# KiCad board board1-switching.kicad_pcb (continued)
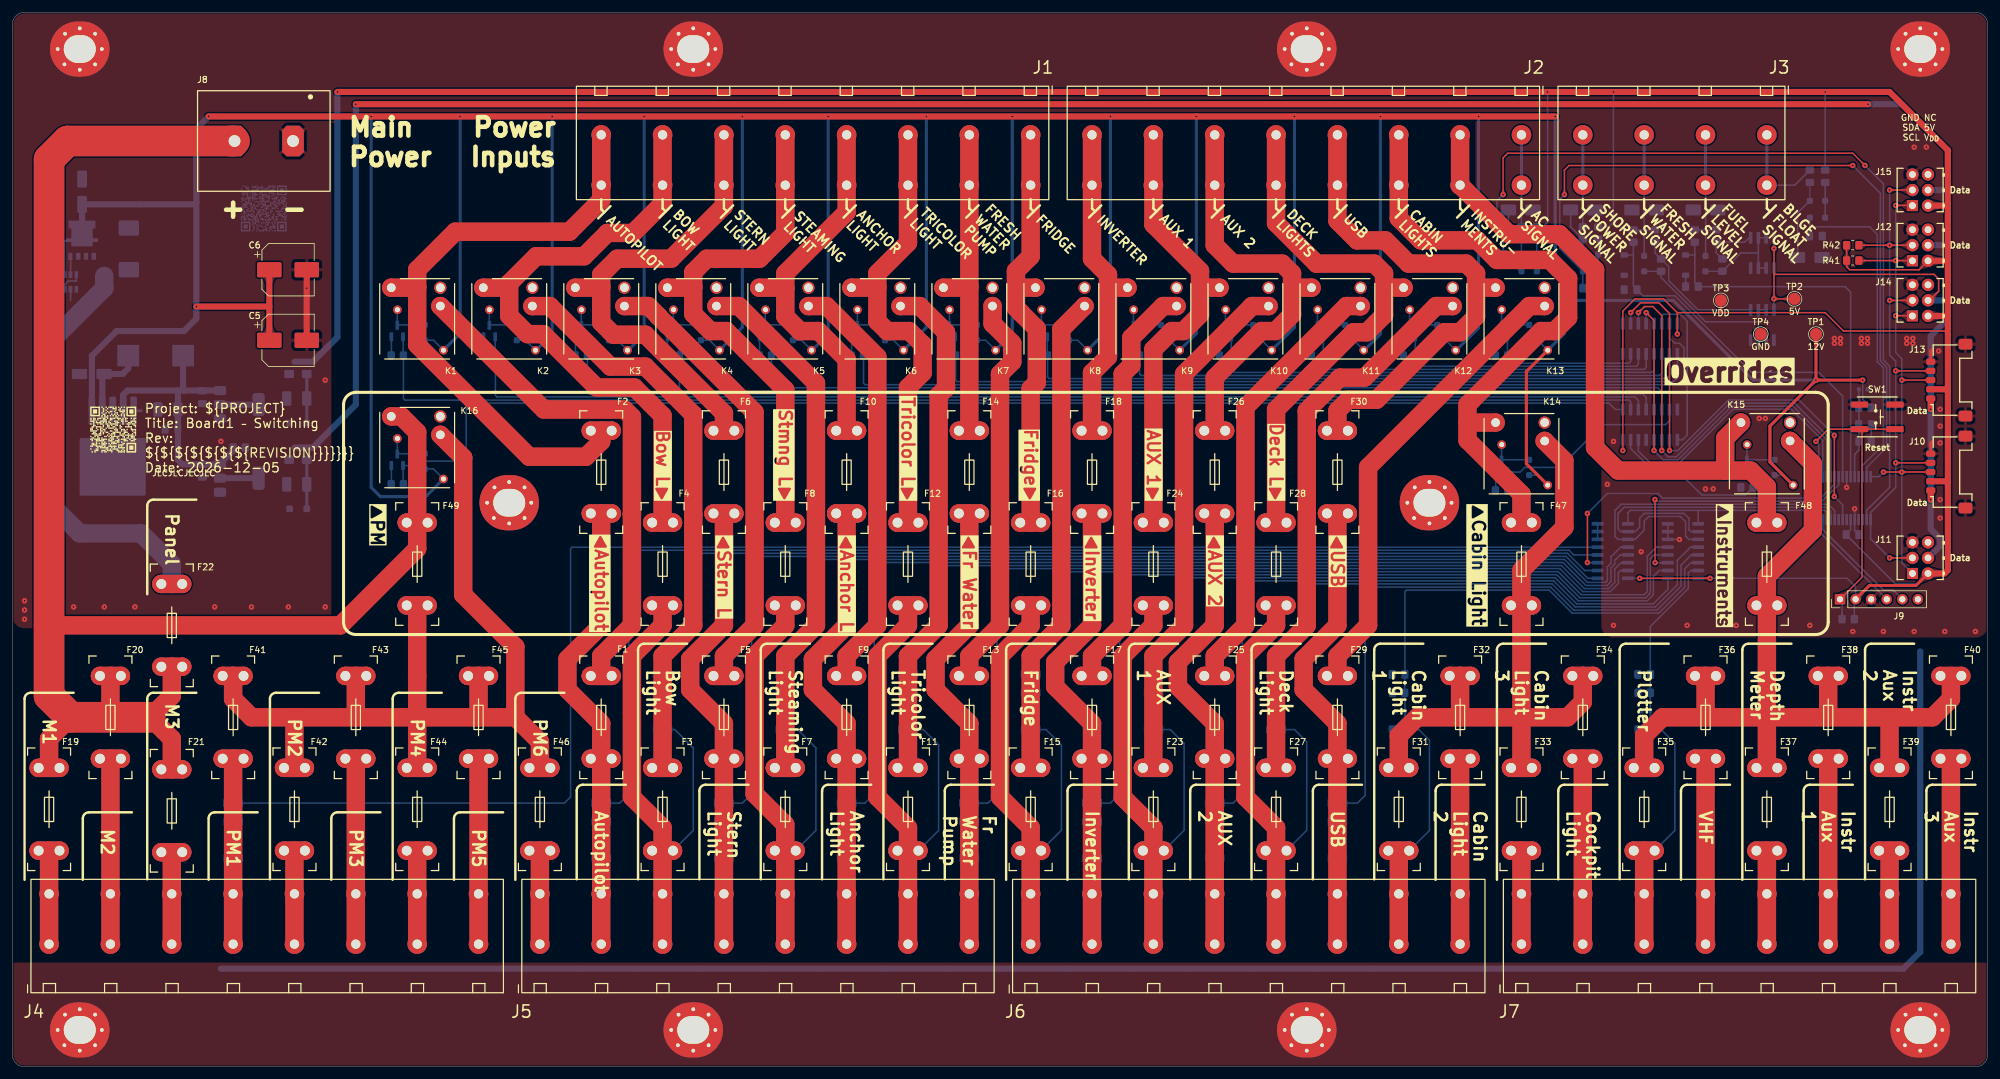
[diagram p0: board, top side]
## Library data of the parts (continued)
U4 U8 = -: Datasheet: https://www.mouser.es/datasheet/3/101/1/MC74HC595A-D.PDF
U5 U9 = -: Datasheet: https://www.ti.com/lit/ds/symlink/sn74lv4051a.pdf
U6 = -: Datasheet: https://www.mouser.es/datasheet/3/282/1/PIC18F26-46-56Q84-Data-Sheet-DS40002259.pdf
U10 U11 = -: Datasheet: http://www.ti.com/lit/ds/symlink/lm134.pdf; Description: 1μA to 10mA 3-Terminal Adjustable Current Source, SO-8; ki_fp_filters: SOIC*3.9x4.9m*P1.27mm*

## Footprints (pads in the part's own frame, mm; a bottom-side part is the same pattern mirrored in y, then rotated)
ButtonSMT_CnK_KSC2_J
  rrect 2.8x1 smd: 1(-2.9,2) 2(-2.9,-2) 3(2.9,2) 4(2.9,-2)
C_0805_2012Metric_Pad1.18x1.45mm_HandSolder
  rrect 1.175x1.45 smd: 1(-1.038,0) 2(1.038,0)
C_Elec_5x5.4
  rrect 2.775x1.6 smd: 1(-2.062,0) 2(2.062,0)
Con-Amphenol-76385-303LF
  rect 1.8x1.8 hole 1.1: 1(-2.54,1.27)
  round 2 hole 1.1: 2(0,1.27) 3(2.54,1.27) 4(2.54,-1.27) 5(0,-1.27) 6(-2.54,-1.27)
Con_2x04_Amphenol-QT04CDP
  round 3.2 hole 1.5: 1(0,8.2) 2(10,8.2) 3(20,8.2) 4(30,8.2) 5(0,0) 6(10,0) 7(20,0) 8(30,0)
Con_2x08_Amphenol-QT08CDP
  round 3.2 hole 1.5: 1(0,8.2) 2(10,8.2) 3(20,8.2) 4(30,8.2) 5(40,8.2) 6(50,8.2) 7(60,8.2) 8(70,8.2) 9(0,0) 10(10,0) 11(20,0) 12(30,0) 13(40,0) 14(50,0) 15(60,0) 16(70,0)
CP_EIA-3216-10_Kemet-I_HandSolder
  rrect 1.59x1.39 smd: 1(-1.44,0) 2(1.44,0)
CP_EIA-3528-12_Kemet-T_HandSolder
  rrect 1.515x2.39 smd: 1(-1.627,0) 2(1.627,0)
CP_Elec_8x6.5
  rrect 4x2.5 smd: 1(-3.05,0) 2(3.05,0)
D_B340-SMAF
  rrect 2.5x1.7 smd: 1(-2,0) 2(2,0)
D_SMA
  rrect 2.5x1.8 smd: 1(-2,0) 2(2,0)
D_SMC
  rrect 2.5x3.3 smd: 1(-3.4,0) 2(3.4,0)
D_SOD-123
  rrect 0.9x1.2 smd: 1(-1.65,0) 2(1.65,0)
D_SOD-123F
  rrect 1.1x1.1 smd: 1(-1.4,0) 2(1.4,0)
D_SOD-323_HandSoldering
  rrect 1x1 smd: 1(-1.25,0) 2(1.25,0)
D_SOD-523
  rrect 0.6x0.7 smd: 1(-0.7,0) 2(0.7,0)
Fuse-Keystone-3557-2
  round 3 hole 1.6: 1(-6.75,1.7) 2(-6.75,-1.7) 3(6.75,1.7) 4(6.75,-1.7)
J_Molex_38710-6302
  rrect 3.5x5 hole 1.9: 1(4.765,0) 2(-4.765,0)
L_Abracon_AMDLA1004S-330MT
  rect 3.55x3.5 smd: 1(-4.475,0) 2(4.475,0)
LFPAK4_4.90x4.15x1.15MM_1.27P
  rect 0.7x1.15 smd: 1(-1.905,0) 2(-0.635,0) 3(0.635,0) 4(1.905,0)
  custom 5.26x4.21 smd: 5(0,3.665)
Molex_Pico-Lock_504050-0591_1x05-1MP_P1.50mm_Horizontal
  rrect 1x1.5 smd: 1(-3,3.295) 2(-1.5,3.295) 3(0,3.295) 4(1.5,3.295) 5(3,3.295)
  rrect 1.77x2.25 smd: MP(-5.865,-2.375) MP(5.865,-2.375)
MountingHole_4.5mm_Pad_Via_oval
  round 0.9 hole 0.6: 1(-3.375,0) 1(-2.5,2.5) 1(-2.5,-2.5) 1(0,3.6) 1(0,-3.6) 1(2.5,2.4) 1(2.5,-2.5) 1(3.375,0)
  oval 9x9.7 hole 4.5x5.2: 1(0,0)
PinHeader_1x06_P2.54mm_Vertical
  rect 1.7x1.7 hole 1: 1(0,0)
  round 1.7 hole 1: 2(0,-2.54) 3(0,-5.08) 4(0,-7.62) 5(0,-10.16) 6(0,-12.7)
R_0805_2012Metric_Pad1.20x1.40mm_HandSolder
  rrect 1.2x1.4 smd: 1(-1,0) 2(1,0)
Relay-TE-V23086-C1xxx
  round 1.4 hole 0.8: 1(-3.22,1.475) 2(4.28,-5.125)
  round 2 hole 1.4: 3(3.78,5.075)
  round 3 hole 1.4: 4(-4.22,5.075) 5(3.78,2.075)
SOIC-8_3.9x4.9mm_P1.27mm
  rrect 1.95x0.6 smd: 1(-2.475,1.905) 2(-2.475,0.635) 3(-2.475,-0.635) 4(-2.475,-1.905) 5(2.475,-1.905) 6(2.475,-0.635) 7(2.475,0.635) 8(2.475,1.905)
SOIC-16_3.9x9.9mm_P1.27mm
  rrect 1.95x0.6 smd: 1(-2.475,4.445) 2(-2.475,3.175) 3(-2.475,1.905) 4(-2.475,0.635) 5(-2.475,-0.635) 6(-2.475,-1.905) 7(-2.475,-3.175) 8(-2.475,-4.445) 9(2.475,-4.445) 10(2.475,-3.175) 11(2.475,-1.905) 12(2.475,-0.635) 13(2.475,0.635) 14(2.475,1.905) 15(2.475,3.175) 16(2.475,4.445)
SOT-23
  rrect 1.475x0.6 smd: 1(-0.938,0.95) 2(-0.938,-0.95) 3(0.938,0)
SOT-223-3_TabPin2
  rrect 2x1.5 smd: 1(-3.15,2.3) 2(-3.15,0) 3(-3.15,-2.3)
  rrect 2x3.8 smd: 2(3.15,0)
SSOP-28-5.3mm
  rrect 0.45x1.85 smd: 1(-4.225,-3.5) 2(-3.575,-3.5) 3(-2.925,-3.5) 4(-2.275,-3.5) 5(-1.625,-3.5) 6(-0.975,-3.5) 7(-0.325,-3.5) 8(0.325,-3.5) 9(0.975,-3.5) 10(1.625,-3.5) 11(2.275,-3.5) 12(2.925,-3.5) 13(3.575,-3.5) 14(4.225,-3.5) 15(4.225,3.5) 16(3.575,3.5) 17(2.925,3.5) 18(2.275,3.5) 19(1.625,3.5) 20(0.975,3.5) 21(0.325,3.5) 22(-0.325,3.5) 23(-0.975,3.5) 24(-1.625,3.5) 25(-2.275,3.5) 26(-2.925,3.5) 27(-3.575,3.5) 28(-4.225,3.5)
TestPoint_Pad_D2.0mm
  round 2 smd: 1(0,0)
TO-263-5_TabPin3
  rrect 4.55x5.25 smd: (-0.925,-2.775) (-0.925,2.775) (3.925,-2.775) (3.925,2.775)
  rrect 4.6x1.1 smd: 1(-7.65,3.4) 2(-7.65,1.7) 3(-7.65,0) 4(-7.65,-1.7) 5(-7.65,-3.4)
  rrect 9.4x10.8 smd: 3(1.5,0)
TSOP-6_3.00x1.5x0.90mm_P0.95mm
  rect 1.1x0.6 smd: 1(-1.2,0.95) 2(-1.2,0) 3(-1.2,-0.95) 4(1.2,-0.95) 5(1.2,0) 6(1.2,0.95)

## Nets
+5V: C18.1 C19.1 D27.1 J10.1 J11.5 J12.5 J13.1 J14.5 J15.5 R28.1 TP2.1 U7.2 U10.4 U11.4
+12V: C5.1 C6.1 C7.1 D1.1 D2.1 D3.1 D4.1 D5.1 D6.1 D7.1 D8.1 D9.1 D11.1 D12.1 D13.1 D14.1 D15.1 D16.1 D17.1 K1.2 K2.2 K3.2 K4.2 K5.2 K6.2 K7.2 K8.2 K9.2 K10.2 K11.2 K12.2 K13.2 K14.2 K15.2 K16.2 Q10.5 R53.1 TP1.1 U1.4 U2.1
GND: C1.1 C2.1 C3.1 C4.1 C5.2 C6.2 C7.2 C8.2 C9.2 C10.2 C11.2 C12.2 C13.2 C14.1 C15.1 C16.1 C17.2 C18.2 C19.2 C20.1 C21.1 C22.1 C23.1 C24.1 C25.1 C26.1 C27.1 C28.1 C29.1 C30.2 C31.2 C32.2 C33.2 C34.2 D10.2 D18.2 D19.2 D20.2 D21.2 D22.2 D23.2 D24.2 D25.2 D26.2 D27.2 D28.2 D29.2 D30.2 D31.2 D32.2 D33.2 D34.2 D35.2 D36.2 D37.2 D39.2 D40.1 D43.1 D46.1 D48.1 D49.2 D52.1 H1.1 H2.1 H3.1 H4.1 H5.1 H6.1 H7.1 H8.1 H9.1 H10.1 J8.1 J9.3 J10.5 J10.MP J11.3 J12.3 J13.5 J13.MP J14.3 J15.3 Q1.2 Q2.2 Q3.2 Q4.2 Q5.2 Q6.2 Q7.2 Q8.2 Q9.2 Q11.2 Q12.2 Q13.2 Q14.2 Q15.2 Q16.2 Q17.2 R1.2 R2.2 R3.2 R4.2 R5.2 R6.2 R7.2 R8.2 R9.2 R10.2 R11.2 R12.2 R13.2 R14.2 R15.2 R16.2 R18.1 R20.1 R22.1 R24.1 R26.1 R29.1 R31.1 R33.1 R35.1 R38.1 R40.1 R44.1 R46.1 R48.1 R50.1 R52.1 R54.1 SW1.1 SW1.3 TP4.1 U1.2 U2.3 U2.5 U3.1 U4.8 U4.13 U5.6 U5.7 U5.8 U6.8 U6.19 U7.1 U8.8 U8.13 U9.6 U9.7 U9.8
VDD: C11.1 C12.1 C13.1 D23.1 J9.2 J10.2 J11.6 J12.6 J13.2 J14.6 J15.6 R37.1 R41.1 R42.1 R58.1 R59.1 R63.1 TP3.1 U3.2 U4.16 U5.16 U6.20 U8.16 U9.16
/ac_power: J2.1 J2.9 R66.1
/anchor_light: F9.3 F9.4 F10.3 F10.4 J5.6 J5.14 R17.1
/autopilot: F1.3 F1.4 F2.3 F2.4 J5.2 J5.10 R32.1
/aux1: F23.3 F23.4 F24.3 F24.4 J6.3 J6.11 R49.1
/aux2: F25.3 F25.4 F26.3 F26.4 J6.4 J6.12 R45.1
/aux_instrument1: F38.3 F38.4 J7.6 J7.14
/aux_instrument2: F39.3 F39.4 J7.7 J7.15
/aux_instrument3: F40.3 F40.4 J7.8 J7.16
/bilge_float: J3.1 J3.5 R64.1
/bow_light: F3.3 F3.4 F4.3 F4.4 J5.3 J5.11 R30.1
/cabin_light1: F31.3 F31.4 J6.7 J6.15 R36.1
/cabin_light2: F32.3 F32.4 J6.8 J6.16
/cabin_light3: F33.3 F33.4 J7.1 J7.9
/chartplotter: F35.3 F35.4 J7.3 J7.11 R39.1
/cockpit_light: F34.3 F34.4 J7.2 J7.10
/deck_light: F27.3 F27.4 F28.3 F28.4 J6.5 J6.13 R43.1
/depth_meter: F37.3 F37.4 J7.5 J7.13
/en0: Q1.1 R1.1 U4.2
/en1: Q2.1 R2.1 U4.3
/en2: Q3.1 R3.1 U4.4
/en3: Q4.1 R4.1 U4.5
/en4: Q5.1 R5.1 U4.6
/en5: Q6.1 R6.1 U8.15
/en6: Q7.1 R7.1 U8.1
/en7: Q8.1 R8.1 U8.2
/en8: Q9.1 R9.1 U8.3
/en9: Q11.1 R10.1 U8.4
/en10: Q12.1 R11.1 U8.5
/en11: Q13.1 R12.1 U8.6
/en12: Q14.1 R13.1 U8.7
/en13: Q15.1 R14.1 U4.7
/en14: Q16.1 R15.1 U4.15
/en15: Q17.1 R16.1 U4.1
/fresh_water_pump: F13.3 F13.4 F14.3 F14.4 J5.8 J5.16 R21.1
/fresh_water_tank: D38.1 D40.2 J3.3 J3.7 R56.2 R57.1
/fridge: F15.3 F15.4 F16.3 F16.4 J6.1 J6.9 R47.1
/fuel_tank: D47.1 D48.2 J3.2 J3.6 R61.2 R62.1
/inverter: F17.3 F17.4 F18.3 F18.4 J6.2 J6.10 R51.1
/main1: F19.3 F19.4 J4.1 J4.9
/main2: F20.3 F20.4 J4.2 J4.10
/main3: F21.3 F21.4 J4.3 J4.11
/meters/ac_power_data: C34.1 D51.1 U6.16
/meters/battery_voltage_data: C29.2 D37.1 R53.2 R54.2 U6.10
/meters/bilge_float_data: C31.1 D42.1 U6.12
/meters/fresh_water_tank_data: C30.1 D39.1 R57.2 U6.7
/meters/fuel_tank_data: C33.1 D49.1 R62.2 U6.9
/meters/shore_power_data: C32.1 D45.1 U6.13
/panel_main1: F41.3 F41.4 J4.4 J4.12 R27.1
/panel_main2: F42.3 F42.4 J4.5 J4.13
/panel_main3: F43.3 F43.4 J4.6 J4.14
/panel_main4: F44.3 F44.4 J4.7 J4.15
/panel_main5: F45.3 F45.4 J4.8 J4.16
/panel_main6: F46.3 F46.4 J5.1 J5.9
/Power: F19.1 F19.2 F20.1 F20.2 F21.1 F21.2 F22.3 F22.4 F49.1 F49.2 J8.2 K16.4
/s_anchor_light: F10.1 F10.2 J1.4 J1.12 K5.4
/s_autopilot: F2.1 F2.2 J1.8 J1.16 K1.4
/s_aux1: F24.1 F24.2 J2.7 J2.15 K10.4
/s_aux2: F26.1 F26.2 J2.6 J2.14 K11.4
/s_bow_light: F4.1 F4.2 J1.7 J1.15 K2.4
/s_cabin_lights: F47.1 F47.2 J2.3 J2.11 K14.4
/s_deck_light: F28.1 F28.2 J2.5 J2.13 K12.4
/s_fresh_water_pump: F14.1 F14.2 J1.2 J1.10 K7.4
/s_fridge: F16.1 F16.2 J1.1 J1.9 K8.4
/s_instruments: F48.1 F48.2 J2.2 J2.10 K15.4
/s_inverter: F18.1 F18.2 J2.8 J2.16 K9.4
/s_steaming_light: F8.1 F8.2 J1.5 J1.13 K4.4
/s_stern_light: F6.1 F6.2 J1.6 J1.14 K3.4
/s_tricolor: F12.1 F12.2 J1.3 J1.11 K6.4
/s_USB: F30.1 F30.2 J2.4 J2.12 K13.4
/shore_power: J3.4 J3.8 R65.1
/steaming_light: F7.3 F7.4 F8.3 F8.4 J5.5 J5.13 R23.1
/stern_light: F5.3 F5.4 F6.3 F6.4 J5.4 J5.12 R25.1
/tricolor: F11.3 F11.4 F12.3 F12.4 J5.7 J5.15 R19.1
/USB: F29.3 F29.4 F30.3 F30.4 J6.6 J6.14 R34.1
/VHF: F36.3 F36.4 J7.4 J7.12
Net-(D1-A): D1.2 K1.1 Q1.3
Net-(D2-A): D2.2 K2.1 Q2.3
Net-(D3-A): D3.2 K3.1 Q3.3
Net-(D4-A): D4.2 K4.1 Q4.3
Net-(D5-A): D5.2 K5.1 Q5.3
Net-(D6-A): D6.2 K6.1 Q6.3
Net-(D7-A): D7.2 K7.1 Q7.3
Net-(D8-A): D8.2 K8.1 Q8.3
Net-(D9-A): D9.2 K9.1 Q9.3
Net-(D10-A1): D10.1 F22.1 F22.2 Q10.1 Q10.2 Q10.3 U1.3 U1.6
Net-(D11-A): D11.2 K10.1 Q11.3
Net-(D12-A): D12.2 K11.1 Q12.3
Net-(D13-A): D13.2 K12.1 Q13.3
Net-(D14-A): D14.2 K13.1 Q14.3
Net-(D15-A): D15.2 K14.1 Q15.3
Net-(D16-A): D16.2 K15.1 Q16.3
Net-(D17-A): D17.2 K16.1 Q17.3
Net-(D18-K): C1.2 D18.1 R17.2 R18.2 U5.13
Net-(D19-K): C2.2 D19.1 R19.2 R20.2 U5.14
Net-(D20-K): C3.2 D20.1 R21.2 R22.2 U5.15
Net-(D21-K): C4.2 D21.1 R23.2 R24.2 U5.12
Net-(D22-K): D22.1 L1.1 U2.2
Net-(D24-K): C14.2 D24.1 R25.2 R26.2 U5.1
Net-(D25-K): C15.2 D25.1 R27.2 R29.2 U5.5
Net-(D26-K): C16.2 D26.1 R30.2 R31.2 U5.2
Net-(D28-K): C20.2 D28.1 R32.2 R33.2 U5.4
Net-(D29-K): C21.2 D29.1 R34.2 R35.2 U9.13
Net-(D30-K): C22.2 D30.1 R36.2 R38.2 U9.14
Net-(D31-K): C23.2 D31.1 R39.2 R40.2 U9.15
Net-(D32-K): C24.2 D32.1 R43.2 R44.2 U9.12
Net-(D33-K): C25.2 D33.1 R45.2 R46.2 U9.1
Net-(D34-K): C26.2 D34.1 R47.2 R48.2 U9.5
Net-(D35-K): C27.2 D35.1 R49.2 R50.2 U9.2
Net-(D36-K): C28.2 D36.1 R51.2 R52.2 U9.4
Net-(D38-A): D38.2 R55.2 U10.2 U10.3 U10.6 U10.7
Net-(D41-A): D41.2 D42.2 R58.2
Net-(D41-K): D41.1 D43.2 R64.2
Net-(D44-A): D44.2 D45.2 R59.2
Net-(D44-K): D44.1 D46.2 R65.2
Net-(D47-A): D47.2 R60.2 U11.2 U11.3 U11.6 U11.7
Net-(D50-A): D50.2 D51.2 R63.2
Net-(D50-K): D50.1 D52.2 R66.2
Net-(F1-Pad1): F1.1 F1.2 K1.5
Net-(F3-Pad1): F3.1 F3.2 K2.5
Net-(F5-Pad1): F5.1 F5.2 K3.5
Net-(F7-Pad1): F7.1 F7.2 K4.5
Net-(F9-Pad1): F9.1 F9.2 K5.5
Net-(F11-Pad1): F11.1 F11.2 K6.5
Net-(F13-Pad1): F13.1 F13.2 K7.5
Net-(F15-Pad1): F15.1 F15.2 K8.5
Net-(F17-Pad1): F17.1 F17.2 K9.5
Net-(F23-Pad1): F23.1 F23.2 K10.5
Net-(F25-Pad1): F25.1 F25.2 K11.5
Net-(F27-Pad1): F27.1 F27.2 K12.5
Net-(F29-Pad1): F29.1 F29.2 K13.5
Net-(F31-Pad1): F31.1 F31.2 F32.1 F32.2 F33.1 F33.2 F34.1 F34.2 F47.3 F47.4 K14.5
Net-(F35-Pad1): F35.1 F35.2 F36.1 F36.2 F37.1 F37.2 F38.1 F38.2 F39.1 F39.2 F40.1 F40.2 F48.3 F48.4 K15.5
Net-(F41-Pad1): F41.1 F41.2 F42.1 F42.2 F43.1 F43.2 F44.1 F44.2 F45.1 F45.2 F46.1 F46.2 F49.3 F49.4 K16.5
Net-(J9-Pin_1): J9.1 R37.2 SW1.2 SW1.4 U6.1
Net-(J9-Pin_4): J9.4 U6.28
Net-(J9-Pin_5): J9.5 U6.27
Net-(J10-Pin_3): J10.3 J11.1 J12.1 J13.3 J14.1 J15.1 R41.2 U6.14
Net-(J10-Pin_4): J10.4 J11.2 J12.2 J13.4 J14.2 J15.2 R42.2 U6.15
Net-(Q10-G): Q10.4 U1.5
Net-(R55-Pad1): R55.1 R56.1 U10.1
Net-(R60-Pad1): R60.1 R61.1 U11.1
Net-(U2-FB): C8.1 C9.1 C10.1 C17.1 L1.2 R28.2 U2.4 U3.3 U7.3
Net-(U4-A): U4.14 U6.2
Net-(U4-LATCH_CLK): U4.12 U6.3 U8.12
Net-(U4-SHIFT_CLK): U4.11 U6.4 U8.11
Net-(U4-SQ_{H}): U4.9 U8.14
Net-(U4-~{RST}): U4.10 U6.22 U8.10
Net-(U5-A): U5.11 U6.24 U9.11
Net-(U5-B): U5.10 U6.25 U9.10
Net-(U5-C): U5.9 U6.26 U9.9
Net-(U5-COM): U5.3 U6.5
Net-(U6-RA4): U6.6 U9.3

Pads without a net: J9 6; J11 4; J12 4; J14 4; J15 4; K1 3; K2 3; K3 3; K4 3; K5 3; K6 3; K7 3; K8 3; K9 3; K10 3; K11 3; K12 3; K13 3; K14 3; K15 3; K16 3; U1 1; U6 11 17 18 21 23; U8 9; U10 5 8; U11 5 8

## Via types
v1: diameter 0.9, hole 0.3, Top to Bottom, 113 vias

## Routing (per net, layer and track width the routed paths; a pad name or vN(x,y) marks a point on that pad's centre or on a via; arc(x,y) is an arc through that point)
+5V: length 459.4
  Top w0.25: 287.15,129.25 v1(287.15,133.5) ; 287.15,129.25 313.25,129.25 314,128.5 314,126.5 312.5,125 J14.5 ; 287.15,129.25 v1(287.15,125.25) TP2.1
  Top w1: v1(302.5,157) v1(56,157) ; v1(312.7,92.5) J10.1 ; v1(312.7,107.25) J13.1
  Bottom w0.25: v1(287.15,133.5) U11.4 ; v1(287.15,125.25) U10.4
  Bottom w1: 315.5,124.97 315.47,125 J14.5 ; 315.5,124.97 315.5,122 312.7,119.2 v1(312.7,107.25) v1(312.7,92.5) 312.7,87.69 314.2,86.2 314.2,84.93 J11.5 ; 315.5,124.97 315.5,134 ; J15.5 315.5,143 ; 315.5,143 315.5,149.5 308,157 v1(302.5,157) ; 315.5,143 315.5,134 ; U7.2 U7.2 ; v1(56,157) 56,108 49,101 46,101 ; 315.5,134 J12.5
+12V: length 1097.4
  Top w0.5: v1(294,112) 286.5,104.5 286.5,98.66 K15.2 ; v1(294,112) v1(301.63,112) ; v1(294,112) TP1.1 ; K14.2 246.8,98.36 246.8,113.39 K13.2
  Top w1: v1(32,155) v1(58.5,155) v1(193,155) v1(209,155) v1(223,155) v1(239,155) v1(251.5,155) ; 41.9,124 v1(30,124) ; C5.1 C6.1
  Bottom w0.25: K11.2 218.66,118.5 D12.1 ; D8.1 173.66,118.5 K8.2 ; D17.1 68.66,97.5 K16.2 ; D9.1 188.66,118.5 K9.2 ; D4.1 113.66,118.5 K4.2 ; D16.1 288.65,96.5 K15.2 ; D13.1 233.65,118.5 K12.2 ; K6.2 143.66,118.5 D6.1 ; D3.1 98.66,118.5 K3.2 ; 11.38,135.72 10.38,134.72 8.62,134.72 8.5,134.6 8.5,129.34 8.55,129.29 ; D11.1 203.66,118.5 K10.2 ; D2.1 83.66,118.5 K2.2 ; v1(301.63,112) 301.63,108.87 R53.1 ; D14.1 248.65,118.5 K13.2 ; D15.1 248.65,96.5 K14.2 ; D5.1 128.66,118.5 K5.2 ; D1.1 68.66,118.5 K1.2 ; D7.1 158.66,118.5 K7.2
  Bottom w0.5: K13.2 253,119.59 253,128 251.5,129.5 v1(251.5,155) ; v1(239,155) 239,120.5 235.38,116.88 K12.2 ; v1(179,155) 179,120.59 K8.2 ; K7.2 163,119.59 v1(163,155) ; K3.2 100.38,116.88 103,119.5 v1(103,155) ; v1(223,155) 223,119.5 220.38,116.88 K11.2 ; v1(119,155) 119,120.59 K4.2 ; 253,125 270.75,125 283.75,112 v1(294,112) ; v1(58.5,155) 58.5,94.5 60,93 67.41,93 K16.2 ; K2.2 85.38,116.88 88,119.5 v1(88,155) ; K1.2 73,119.59 v1(73,155) ; v1(209,155) 209,120.59 K10.2 ; K9.2 193,119.59 v1(193,155) ; v1(133,155) 133,119.5 130.38,116.88 K5.2 ; K6.2 149,120.59 v1(149,155)
  Bottom w1: v1(32,155) 30,153 30,141 ; 30,141 29.66,140.66 C7.1 11.38,135.72 ; 30,141 v1(30,124) 30,122 28,120 17,120 12.98,115.97 U2.1
GND: length 426.7
  Top w0.5: J10.5 312.7,101.7 313,102 ; 313,117 312.7,116.7 J13.5
  Top w1: C6.2 C5.2
  Bottom w0.25: R4.2 106.8,116.05 Q4.2 ; U9.8 U9.6 271.73,86.02 v1(271.75,86) ; Q2.2 76.8,116.05 R2.2 ; C29.1 303,104.71 R54.1 ; C33.2 D49.2 ; U1.2 9.5,125 ; Q17.2 61.8,95.05 R16.2 ; R5.2 121.8,116.05 Q5.2 ; v1(300.3,91) U6.19 300.3,87.49 C13.2 301.04,86.8 ; R3.2 91.8,116.05 Q3.2 ; R13.2 241.8,116.05 Q14.2 ; Q6.2 136.8,116.05 R6.2 ; Q1.2 61.8,116.05 R1.2 ; R8.2 166.8,116.05 Q8.2 ; R14.2 241.8,94.05 Q15.2 ; R7.2 151.8,116.05 Q7.2 ; R12.2 226.8,116.05 Q13.2 ; Q11.2 196.8,116.05 R10.2 ; Q9.2 181.8,116.05 R9.2 ; R15.2 281.8,94.55 ; v1(299,94.5) U6.8 ; U5.6 U5.8 ; Q12.2 211.8,116.05 R11.2
  Bottom w0.5: D27.2 C19.2 C18.2 ; U2.5 21,107 ; D23.2 C12.2 C11.2
  Bottom w1: 16,98.22 U2.3 ; 311,67.75 311,18.75 308.25,16 34,16 ; 11.31,144.72 C7.2
  vias: v1(2,76) v1(2,74.5) v1(2,73) v1(10,75) v1(15,75) v1(20,75) v1(33,75) v1(34,102.02) v1(39,75) v1(45,75) v1(48,127) v1(51,112) v1(51,75) v1(260,95) v1(261,102) v1(261,72) v1(265.5,84) v1(273,72) v1(276,94.25) v1(277.25,94.25) v1(281,72) v1(284.75,105.75) v1(285.75,105.75) v1(293,72) v1(297,118.8) v1(297,118) v1(298,118.8) v1(298,118) v1(300,71) v1(301.4,118.8) v1(301.4,118) v1(302.4,118.8) v1(302.4,118) v1(305,71) v1(308.8,118.8) v1(308.8,118) v1(309.8,118.8) v1(309.8,118) v1(310,150) v1(310,71) v1(312,150) v1(314,116.75) v1(314.25,107.25) v1(314.25,104.5) v1(314.25,101.75) v1(314.25,92.5) v1(314.25,89.5) v1(315,71) v1(320,71)
VDD: length 654.3
  Top w0.25: v1(265.25,79.67) v1(276.75,79.67) ; J12.6 310.81,130 299.5,130 299,130.5 R41.1 R42.1 ; TP3.1 278.5,123 ; 278.5,123 271.41,123 ; 278.5,123 295.5,123 298.5,120 315.5,120 315.5,121.4 ; 271.41,123 v1(271.41,119.5) ; 271.41,123 269.16,125.25 264.5,125.25 262.52,123.27 v1(262.52,100.5)
  Top w0.5: J9.2 302.71,78.5 310.31,78.5 J11.6
  Top w1: 315.5,110.5 315.5,122.75 ; 315.5,110.5 315.5,95.5 ; 315.5,110.5 J13.2 ; 315.5,122.75 315.5,131.5 ; 315.5,122.75 315.21,122.46 J14.6 ; J15.6 315.46,140.46 315.5,140.5 ; 315.5,95.5 315.5,81 314.96,80.46 J11.6 ; 315.5,95.5 J10.2 ; 315.5,131.5 315.5,140.5 ; 315.5,131.5 315.46,131.46 J12.6 ; 315.5,140.5 315.5,149.5 306,159 v1(53,159)
  Bottom w0.25: U9.16 v1(276.75,79.67) 299.08,79.67 300.46,78.29 J9.2 300.25,76.04 R37.1 ; v1(250.25,159) 250.25,137.75 249.5,137 R63.1 ; 298.86,86.8 299.65,87.59 U6.20 ; v1(262.52,100.5) U4.16 ; R58.1 v1(295.5,159) ; J11.6 310.56,78.75 306.96,78.75 C13.1 ; U5.16 v1(265.25,79.67) ; R59.1 260.25,137 261,137.75 v1(261,159) ; v1(271.41,119.5) U8.16
  Bottom w1: 46,115 49,115 53,119 v1(53,159) ; U3.2 U3.2
/ac_power: length 15
  Bottom w0.25: R66.1 J2.1
  Bottom w0.5: J2.9 J2.1
/anchor_light: length 94.4
  Top w3: F10.4 136,90.25 ; 136,90.25 F10.3 ; 136,90.25 136,72 130.5,66.5 130.5,61.5 136,56 136,50.25 ; 136,50.25 136,20.2 ; 136,50.25 F9.4 ; 136,50.25 F9.3
  Bottom w0.25: R17.1 135,33 136,32 J5.6
  Bottom w3: F9.4 F9.3 ; F10.4 F10.3
/autopilot: length 94.4
  Top w3: 96,20.2 96,50.25 ; 96,50.25 F1.4 ; 96,50.25 96,56 90.5,61.5 90.5,66.5 96,72 96,90.25 ; 96,50.25 F1.3 ; 96,90.25 F2.3 ; 96,90.25 F2.4
  Bottom w0.25: R32.1 95,33 96,32 J5.2
  Bottom w3: F1.4 F1.3 ; F2.3 F2.4
/aux1: length 96.7
  Top w3: F23.4 186,35.25 ; 186,35.25 F23.3 ; 186,35.25 186.1,35.15 186,35.06 186,28.4 ; 186,35.25 186,39 181,44 181,67 186,72 186,75.25 ; 186,75.25 F24.4 ; 186,75.25 F24.3 ; 186.1,28.4 186,28.3 186,20.2
  Bottom w0.25: F23.3 191,38.55 191,52.75 188.75,55 R49.1
  Bottom w3: F23.4 F23.3 ; F24.4 F24.3
/aux2: length 91.4
  Top w3: 196,20.2 196,50.25 ; 196,50.25 F25.3 ; 196,50.25 196,56 190,62 190,66 196,72 196,90.25 ; 196,50.25 F25.4 ; F26.4 F26.3
  Bottom w0.25: J6.4 196,32 195,33 R45.1
  Bottom w3: F25.3 F25.4
/aux_instrument1: length 36.8
  Top w3: F38.4 296,50.25 ; 296,50.25 F38.3 ; 296,50.25 296,20.2
  Bottom w3: F38.3 F38.4
/aux_instrument2: length 21.8
  Top w3: 306,35.25 F39.3 ; 306,35.25 F39.4 ; 306,35.25 306,20.2
  Bottom w3: F39.3 F39.4
/aux_instrument3: length 36.8
  Top w3: F40.4 316,50.25 ; 316,50.25 316,20.2 ; 316,50.25 F40.3
  Bottom w3: F40.3 F40.4
/bilge_float: length 16.2
  Bottom w0.25: R64.1 290.55,143.8 J3.1
  Bottom w0.5: J3.1 J3.5
/bow_light: length 96.2
  Top w3: 106,20.2 106,35.25 ; 106,35.25 F3.4 ; 106,35.25 106,39 101,44 101,67 106,72 106,75.25 ; 106,35.25 F3.3 ; F4.4 106,75.25 ; 106,75.25 F4.3
  Bottom w0.25: R30.1 108,55 111,52 111,38.55 F3.3
  Bottom w3: F4.3 F4.4 ; F3.3 F3.4
/cabin_light1: length 46
  Top w3: 226,20.2 226,35.25 ; 226,35.25 F31.3 ; 226,35.25 F31.4
  Bottom w0.25: R36.1 229.25,55 231,53.25 231,38.55 F31.3
  Bottom w3: F31.3 F31.4
/cabin_light2: length 36.8
  Top w3: F32.4 236,50.25 ; 236,50.25 236,20.2 ; 236,50.25 F32.3
  Bottom w3: F32.3 F32.4
/cabin_light3: length 21.8
  Top w3: 246,35.25 F33.3 ; 246,35.25 F33.4 ; 246,35.25 246,20.2
  Bottom w3: F33.3 F33.4
/chartplotter: length 45.7
  Top w3: 266,35.25 266,20.2 ; 266,35.25 F35.3 ; 266,35.25 F35.4
  Bottom w0.25: F35.3 271,38.55 271,52.75 268.75,55 266.96,55
  Bottom w3: F35.3 F35.4
/cockpit_light: length 36.8
  Top w3: F34.4 256,50.25 ; 256,50.25 256,20.2 ; 256,50.25 F34.3
  Bottom w3: F34.4 F34.3
/deck_light: length 96.7
  Top w3: 206,75.25 206,72 201,67 201,44 206,39 206,35.25 ; 206,75.25 F28.3 ; 206,75.25 F28.4 ; F27.4 206,35.25 ; 206,35.25 F27.3 ; 206,35.25 206,20.2
  Bottom w0.25: F27.3 211,38.55 211,53 209,55 R43.1
  Bottom w3: F27.3 F27.4 ; F28.3 F28.4
/depth_meter: length 21.8
  Top w3: 286,35.25 286,20.2 ; 286,35.25 F37.4 ; 286,35.25 F37.3
  Bottom w3: F37.3 F37.4
/en0: length 211.6
  Bottom w0.25: Q1.1 63.7,116.05 R1.1 63.75,109 64,108.75 263.5,108.75 263.79,108.46 U4.2
/en1: length 197.7
  Bottom w0.25: Q2.1 78.7,116.05 R2.1 78.75,109.5 79,109.25 264.5,109.25 265.06,108.69 U4.3
/en2: length 184
  Bottom w0.25: Q3.1 93.7,116.05 R3.1 93.75,110 94,109.75 265.75,109.75 266.33,109.17 U4.4
/en3: length 170.2
  Bottom w0.25: U4.5 267.6,109.65 267,110.25 109,110.25 108.75,110.5 R4.1 108.7,116.05 Q4.1
/en4: length 156.4
  Bottom w0.25: 268.87,107.2 268.87,110.13 268.25,110.75 124,110.75 123.75,111 R5.1 ; Q5.1 123.7,116.05
/en5: length 152.4
  Bottom w0.25: Q6.1 138.7,116.05 R6.1 138.75,111.5 139,111.25 271.75,111.25 272.5,112 272.5,117.27 271.77,118 271,118 270.14,118.86 U8.15
/en6: length 129
  Bottom w0.25: Q7.1 153.7,116.05 R7.1 153.75,112 154,111.75 270.82,111.75 271.41,112.34 U8.1
/en7: length 111.9
  Bottom w0.25: Q8.1 168.7,116.05 R8.1 168.75,112.5 169,112.25 269.75,112.25 270.14,112.64 U8.2
/en8: length 94.6
  Bottom w0.25: 268.87,116.28 268.87,113.12 268.5,112.75 184,112.75 183.75,113 R9.1 183.7,116.05 Q9.1
/en9: length 77.2
  Bottom w0.25: U8.4 267.6,113.6 267.25,113.25 199.25,113.25 198.75,113.75 R10.1 198.7,116.05 Q11.1
/en10: length 60
  Bottom w0.25: U8.5 266.33,114.08 266,113.75 214.25,113.75 213.75,114.25 R11.1 213.7,116.05 Q12.1
/en11: length 42.8
  Bottom w0.25: Q13.1 228.7,116.05 R12.1 228.75,114.5 229,114.25 264.75,114.25 265.06,114.56 U8.6
/en12: length 25.6
  Bottom w0.25: U8.7 263.79,115.04 263.5,114.75 244,114.75 243.75,115 R13.1 243.7,116.05 Q14.1
/en13: length 34.8
  Bottom w0.25: U4.7 270.14,105.39 269.5,104.75 259.25,104.75 252.27,97.77 246.55,97.77 245.78,97 243.76,97 Q15.1 243.7,94.05 R14.1
/en14: length 28.1
  Bottom w0.25: R15.1 282.5,93.25 275.39,93.25 270.64,98 266.66,98 263.79,100.88 U4.15 ; 283.75,94 283.7,94.05 Q16.1
/en15: length 211.5
  Bottom w0.25: R16.1 63.7,95.05 Q17.1 65.19,98.06 65.92,98.79 73.54,98.79 74,99.25 74,107.75 74.5,108.25 260.25,108.25 261.3,107.2 U4.1
/fresh_water_pump: length 91
  Top w3: 156,90.25 F14.3 ; 156,90.25 F14.4 ; 156,90.25 156,72 150.5,66.5 150.5,61.5 156,56 156,20.2
  Bottom w0.25: J5.8 156,32 155,33 R21.1
  Bottom w3: F14.4 F14.3 ; F13.3 F13.4
/fresh_water_tank: length 25.2
  Bottom w0.25: 266,139.75 J3.3 ; 266,139.75 D38.1 ; 266,139.75 D40.2 ; R56.2 R57.1
  Bottom w0.5: J3.7 J3.3
/fridge: length 93
  Top w3: 166,35.25 166,20.2 ; 166,35.25 F15.4 ; 166,35.25 F15.3 ; 166,35.25 166,39 161,44 161,67 166,72 166,75.25 ; F16.4 F16.3
  Bottom w0.25: F15.3 171,38.55 171,52.5 168.5,55 R47.1
  Bottom w3: F15.3 F15.4
/fuel_tank: length 25.2
  Bottom w0.25: 276,139.75 J3.2 ; 276,139.75 D47.1 ; 276,139.75 D48.2 ; R61.2 R62.1
  Bottom w0.5: J3.2 J3.6
/inverter: length 94.8
  Top w3: 176,50.25 176,56 170,62 170,66 176,72 176,90.25 ; 176,50.25 F17.3 ; 176,50.25 F17.4 ; 176,50.25 176,20.2 ; 176,90.25 F18.4 ; 176,90.25 F18.3
  Bottom w0.25: J6.2 176,32 175,33 R51.1
  Bottom w3: F18.4 F18.3 ; F17.3 F17.4
/main1: length 21.9
  Top w3: F19.4 6,35.25 ; 6,35.25 6,20.2 ; 6,35.25 F19.3
  Bottom w3: F19.3 F19.4
/main2: length 36.9
  Top w3: F20.4 16,50.25 ; 16,50.25 16,20.2 ; 16,50.25 F20.3
  Bottom w3: F20.3 F20.4
/main3: length 21.6
  Top w3: F21.4 26,35 ; 26,35 26,20.2 ; 26,35 F21.3
  Bottom w3: F21.3 F21.4
/meters/ac_power_data: length 141.8
  Top w0.25: v1(243,142.25) 243,148.25 243.75,149 300,149 v1(302,147)
  Bottom w0.25: v1(243,142.25) 242,141.25 242,138.25 243.04,137.21 C34.1 245.79,129.75 D51.1 ; v1(302,147) 305,144 305,115.28 306,114.28 306,94.5 302.25,90.75 U6.16
/meters/battery_voltage_data: length 14.5
  Bottom w0.25: D37.1 R54.2 301,100.6 300.3,99.9 U6.10
/meters/bilge_float_data: length 55.9
  Bottom w0.25: U6.12 301.6,98.1 305,101.5 305,114 304,115 304,135.75 302.75,137 293,137 ; C31.1 293,135.54 293,137 ; 293,137 D42.1
/meters/fresh_water_tank_data: length 63.3
  Bottom w0.25: U6.7 298.35,109.4 294.5,113.25 283.5,113.25 271,125.75 265.82,125.75 264.25,127.33 R57.2 ; D39.1 264.25,132.4
/meters/fuel_tank_data: length 64.3
  Bottom w0.25: D49.1 274.25,132.4 ; R62.2 274.25,127.83 274.82,127.25 298.75,127.25 299.65,126.35 U6.9
/meters/shore_power_data: length 123
  Top w0.25: v1(300,147) 253.75,147 253,146.25 v1(253,142.25)
  Bottom w0.25: v1(300,147) 304.5,142.5 304.5,115.14 305.5,114.14 305.5,101 302.25,97.75 U6.13 ; 256,126.75 D45.1 252.25,133.5 252.25,141.5 v1(253,142.25)
/panel_main1: length 43.1
  Top w3: F41.4 36,50.25 ; 36,50.25 36,20.2 ; 36,50.25 F41.3
  Bottom w0.25: J4.4 36,31 35,32 R27.1
  Bottom w3: F41.3 F41.4
/panel_main2: length 21.9
  Top w3: 46,20.2 46,35.25 ; 46,35.25 F42.4 ; 46,35.25 F42.3
  Bottom w3: F42.3 F42.4
/panel_main3: length 36.9
  Top w3: F43.4 56,50.25 ; 56,50.25 F43.3 ; 56,50.25 56,20.2
  Bottom w3: F43.3 F43.4
/panel_main4: length 21.9
  Top w3: F44.4 66,35.25 ; 66,35.25 F44.3 ; 66,35.25 66,20.2
  Bottom w3: F44.4 F44.3
/panel_main5: length 36.9
  Top w3: 76,20.2 76,50.25 ; 76,50.25 F45.3 ; 76,50.25 F45.4
  Bottom w3: F45.3 F45.4
/panel_main6: length 21.9
  Top w3: 86,35.25 86,20.2 ; 86,35.25 F46.4 ; 86,35.25 F46.3
  Bottom w3: F46.3 F46.4
/Power: length 296.5
  Top w3: F22.4 26,65.25 ; 26,65.25 26,60.5 22.5,57 26,53.5 26,48.5 ; 26,65.25 F22.3 ; K16.4 63.42,106.08 66,103.5 66,88.75 ; 6,48.75 6,53.5 9.5,57 ; 6,48.75 F19.2 ; 6,48.75 F19.1 ; 16,63.75 16,57 ; 16,63.75 F20.1 ; 16,63.75 F20.2 ; F49.1 66,88.75 ; 66,88.75 66,84.5 53.5,72 6,72 ; 66,88.75 F49.2 ; 26,48.5 F21.2 ; 26,48.5 F21.1
  Top w5: J8.2 9,151 6,148 6,60.5 9.5,57 22.5,57
  Bottom w3: F19.1 F19.2 ; F49.2 F49.1 ; F20.1 F20.2 ; F21.1 F21.2 ; F22.3 F22.4
/s_anchor_light: length 69.3
  Top w3: 136,103.75 136,115.4 131.4,120 128.4,120 126,122.4 126,127 ; 136,103.75 F10.1 ; 136,103.75 F10.2 ; 126,127 126,129.4 136,139.4 J1.4 J1.12 ; 126,127 125.93,127.08 K5.4
  Bottom w3: F10.2 F10.1
/s_autopilot: length 109
  Top w3: 66,127.2 65.88,127.08 K1.4 ; 66,127.2 66,117.76 84.26,99.5 93.5,99.5 96,102 96,103.75 ; 66,127.2 66,130 72.2,136.2 90.8,136.2 96,141.4 J1.8 J1.16 ; 96,103.75 F2.2 ; 96,103.75 F2.1
  Bottom w3: F2.1 F2.2
/s_aux1: length 80.7
  Top w3: 186,88.75 F24.1 ; 186,88.75 F24.2 ; 186,88.75 186,117 189,120 190.91,120 193.6,122.69 193.6,127.2 ; 193.6,127.2 193.6,129.8 186,137.4 J2.7 J2.15 ; 193.6,127.2 193.72,127.08 K10.4
  Bottom w3: F24.2 F24.1
/s_aux2: length 74.8
  Top w3: 196,103.75 196,112.4 203.6,120 205.91,120 208.6,122.69 208.6,127.2 ; 196,103.75 F26.2 ; 196,103.75 F26.1 ; 208.6,127.2 208.72,127.08 K11.4 ; 208.6,127.2 208.6,129.4 207,131 199,131 196,134 J2.14
  Bottom w3: F26.1 F26.2
/s_bow_light: length 107.4
  Top w3: 106,88.75 106,106.2 101.4,110.8 95.25,110.8 86.55,119.5 84,119.5 81,122.5 81,127.8 ; 106,88.75 F4.2 ; 106,88.75 F4.1 ; K2.4 80.28,127.08 81,127.8 ; J1.15 J1.7 106,140.8 101.2,136 97,136 93.2,132.2 85.4,132.2 81,127.8
  Bottom w3: F4.1 F4.2
/s_cabin_lights: length 108.3
  Top w3: 237.2,105.2 237.2,108 249.2,120 251.4,120 253.6,122.2 253.6,128.6 250.6,131.6 242,131.6 238.8,134.8 229.6,134.8 226,138.4 J2.3 J2.11 ; 237.2,105.2 237.32,105.08 K14.4 ; 237.2,105.2 237.2,102.2 246,93.4 246,88.75 ; 246,88.75 F47.1 ; 246,88.75 F47.2
  Bottom w3: F47.1 F47.2
/s_deck_light: length 94.6
  Top w3: 223.6,127 223.6,122.6 220.8,119.8 218.6,119.8 206,107.2 206,88.75 ; 223.6,127 223.6,129.4 222,131 212.6,131 206,137.6 J2.5 J2.13 ; 223.6,127 223.68,127.08 K12.4 ; 206,88.75 F28.1 ; 206,88.75 F28.2
  Bottom w3: F28.2 F28.1
/s_fresh_water_pump: length 59.3
  Top w3: 156,103.75 156,127.2 ; 156,103.75 F14.1 ; 156,103.75 F14.2 ; 156,127.2 155.88,127.08 K7.4 ; 156,127.2 J1.10
  Bottom w3: F14.1 F14.2
/s_fridge: length 76.1
  Top w3: K8.4 163.72,127.08 163.6,127.2 ; 163.6,127.2 163.6,123.8 164.4,123 164.4,122.97 167,120.37 167,111.6 166,110.6 166,88.75 ; 163.6,127.2 163.6,129.8 166,132.2 J1.1 J1.9 ; 166,88.75 F16.1 ; 166,88.75 F16.2
  Bottom w3: F16.2 F16.1
/s_instruments: length 117.1
  Top w3: 286,88.75 F48.2 ; 286,88.75 286,94.6 283.35,97.25 279.2,97.25 ; 286,88.75 F48.1 ; 279.2,97.25 261.75,97.25 258,101 258,130 252.2,135.8 244,135.8 J2.2 J2.10 ; 279.2,97.25 279.2,102.5 K15.4
  Bottom w3: F48.1 F48.2
/s_inverter: length 60.4
  Top w3: 178.6,127 178.68,127.08 K9.4 ; 178.6,127 178.6,115.8 176,113.2 176,103.75 ; 178.6,127 178.6,129.2 176,131.8 J2.8 J2.16 ; F18.2 176,103.75 ; 176,103.75 F18.1
  Bottom w3: F18.1 F18.2
/s_steaming_light: length 93.3
  Top w3: F8.1 126,88.75 ; 126,88.75 F8.2 ; 126,88.75 126,110.4 116.4,120 113.8,120 111,122.8 111,127.2 ; 111,127.2 110.88,127.08 K4.4 ; 111,127.2 111,129.6 113.2,131.8 121.8,131.8 126,136 J1.5 J1.13
  Bottom w3: F8.2 F8.1
/s_stern_light: length 84.1
  Top w3: K3.4 95.88,127.08 96,127.2 ; 116,103.75 116,106.6 103.2,119.4 98,119.4 96,121.4 96,127.2 ; 116,103.75 F6.2 ; 116,103.75 F6.1 ; 96,127.2 96,129.2 98.6,131.8 107.4,131.8 116,140.4 J1.6 J1.14
  Bottom w3: F6.2 F6.1
/s_tricolor: length 82.6
  Top w3: F12.1 146,88.75 ; 146,88.75 F12.2 ; 146,88.75 146,110.8 148.4,113.2 148.4,117.8 146.2,120 142.6,120 141,121.6 141,127.2 ; 141,127.2 141,129.4 146,134.4 J1.3 J1.11 ; 141,127.2 140.88,127.08 K6.4
  Bottom w3: F12.2 F12.1
/s_USB: length 89.4
  Top w3: 238.6,127.2 238.73,127.08 K13.4 ; 238.6,127.2 238.6,122.4 236,119.8 233.4,119.8 222.4,108.8 217.8,108.8 216,107 216,103.75 ; 238.6,127.2 238.6,129.4 237,131 227.6,131 223.8,134.8 219.2,134.8 216,138 J2.4 J2.12 ; 216,103.75 F30.2 ; 216,103.75 F30.1
  Bottom w3: F30.1 F30.2
